# KiCad board mainPCB.kicad_pcb (continued)
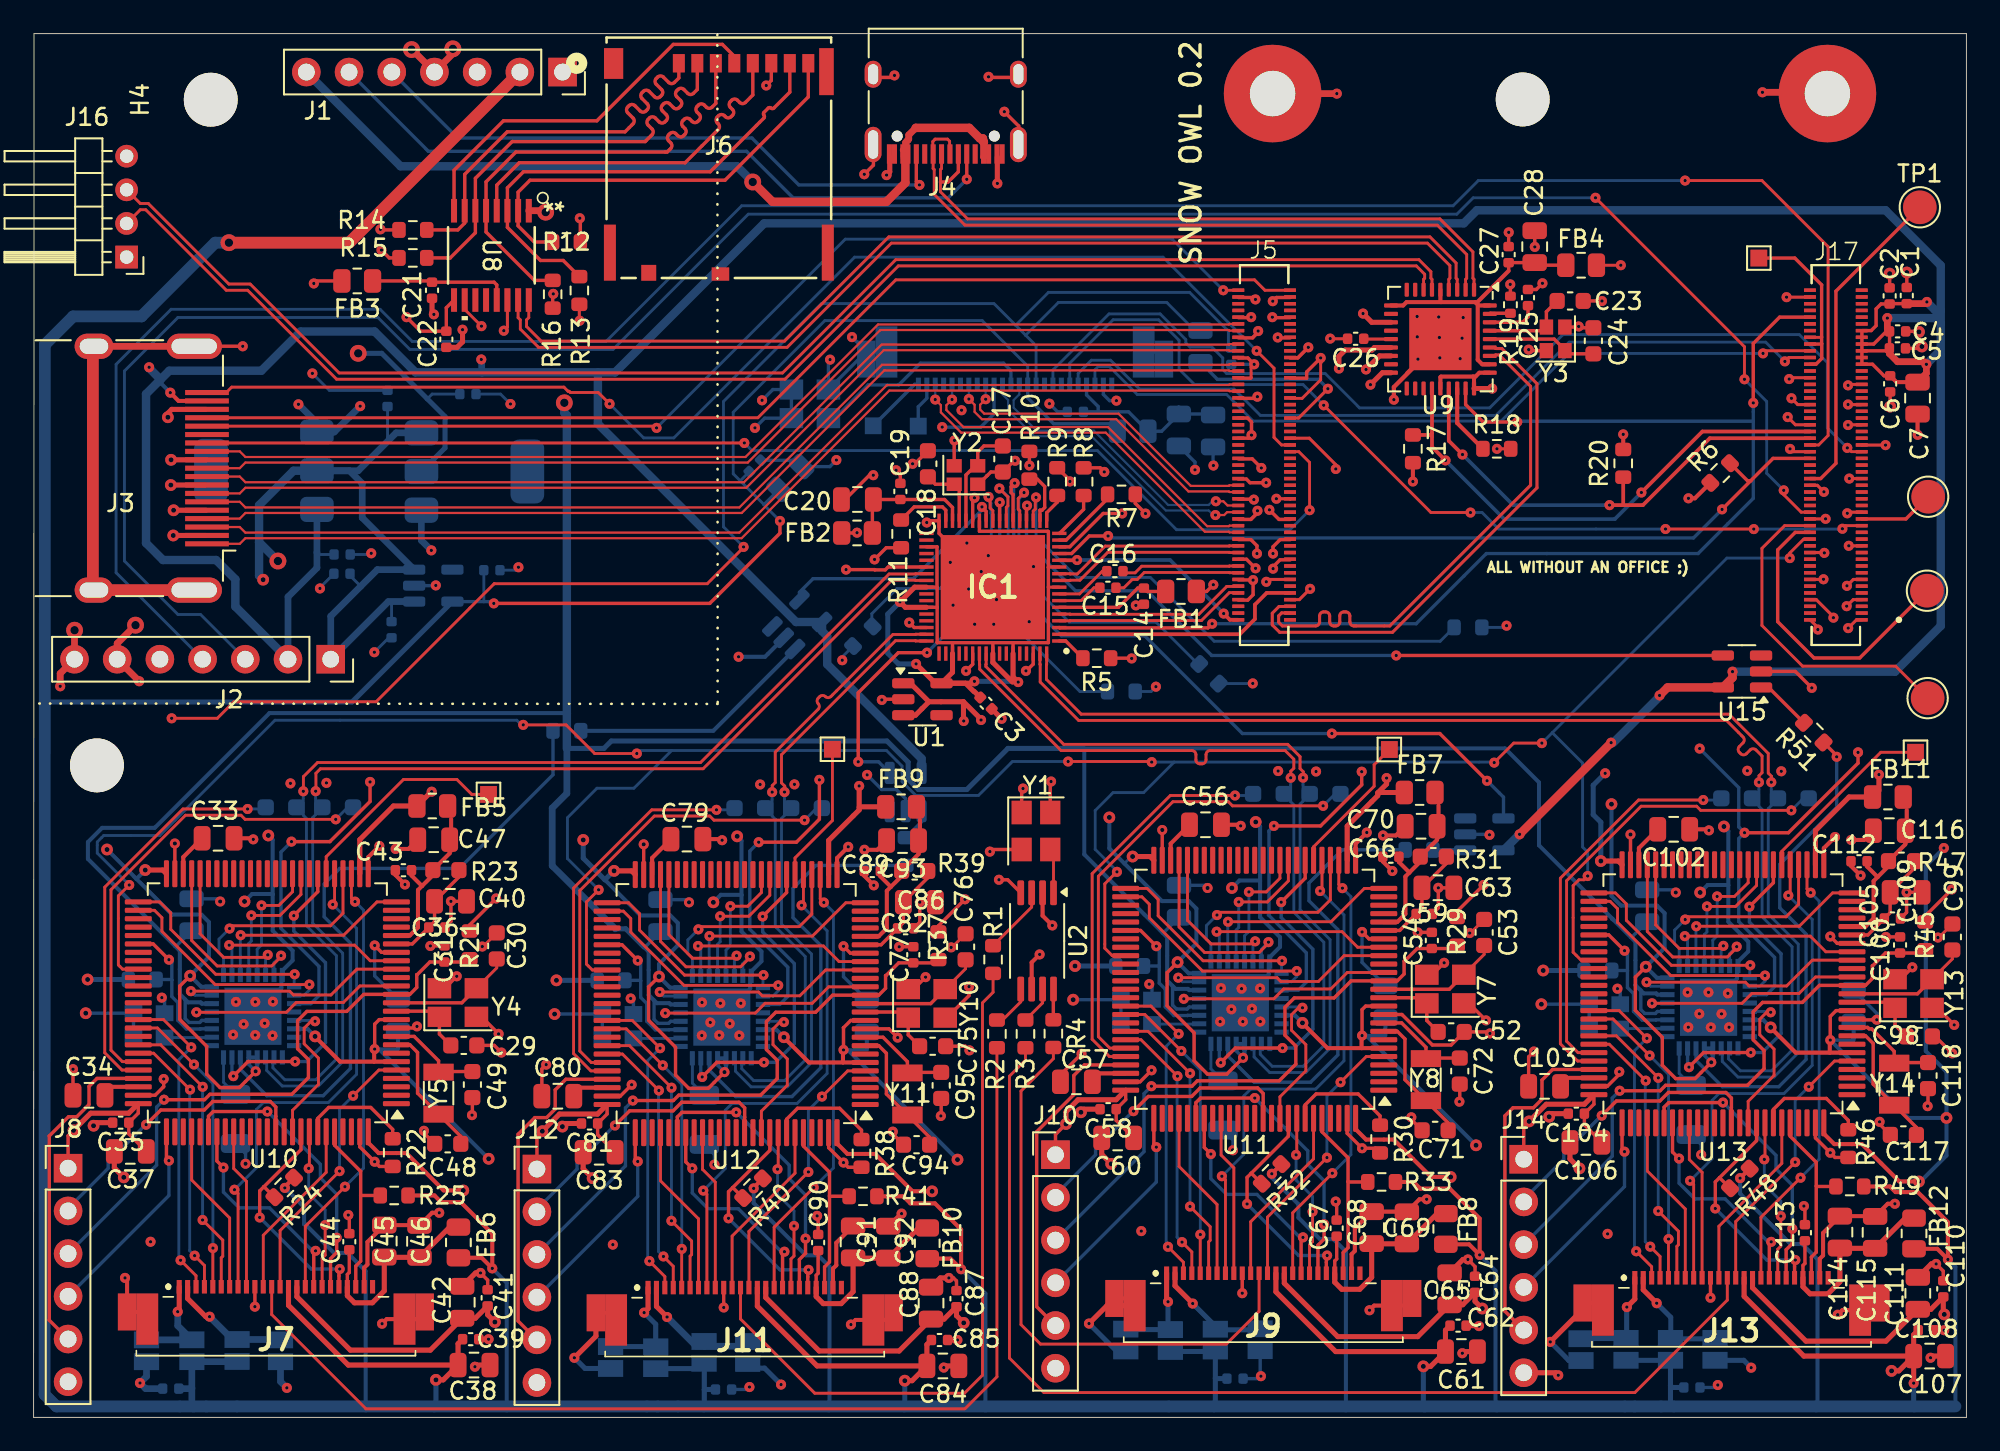
[diagram p0: board, top side]
## Routing (per net, layer and track width the routed paths; a pad name or vN(x,y) marks a point on that pad's centre or on a via; arc(x,y) is an arc through that point) (continued)
Net-(U12-PH0): length 4.7
  F.Cu Signal w0.2: 52.7,22.08 52.02,22.75 Y10.1 51.69,24.11 49.46,24.11
Net-(U12-PH1): length 7.5
  F.Cu Signal w0.17: C76.2 55.43,26.68 Y10.3
  F.Cu Signal w0.2: 49.46,24.61 53.36,24.61 Y10.3 54.31,25.57
Net-(U12-VDDA): length 10.7
  F.Cu Signal w0.24: 50.98,31.55 51.63,32.2 R39.1 52.63,33.5 C93.1 52.51,34.43 ; 50.98,31.55 50.36,32.18 C89.1 ; 50.98,31.55 50.75,31.31 50.75,29.1 50.26,28.61 49.46,28.61 ; 52.72,35.54 52.72,33.65
Net-(U12-VREF+): length 7
  F.Cu Signal w0.2: C86.2 51.73,29.43 C82.2 50.41,28.11 49.46,28.11 ; C86.2 51.39,30.3 ; C86.2 53.18,32.09 R39.2
Net-(U13-BOOT0): length 6.6
  F.Cu Signal w0.2: U13.94 103.48,18.32 104.13,18.97 106.63,18.97 107.93,17.66 R46.1
Net-(U13-PA7): length 11.2
  F.Cu Signal w0.17: TP10.1 109.87,39.56 103.98,33.67 U13.31
Net-(U13-PC14): length 7.9
  F.Cu Signal w0.2: U13.8 108.96,22.69 109.41,22.24 109.41,19.82 Y14.2 111.98,17.25 C117.1
Net-(U13-PC15): length 5.9
  F.Cu Signal w0.2: 112.64,21.14 C118.1 110.7,21.1 Y14.1 110.66,21.77 109.32,23.11 109.17,23.11 109.08,23.19 U13.9
Net-(U13-PH0): length 4.7
  F.Cu Signal w0.2: C98.2 110.71,23.33 Y13.1 110.38,24.69 U13.12
Net-(U13-PH1): length 7.5
  F.Cu Signal w0.17: C99.2 114.12,27.27 Y13.3
  F.Cu Signal w0.2: 113,26.15 Y13.3 112.05,25.19 U13.13
Net-(U13-VDDA): length 10.7
  F.Cu Signal w0.24: 111.41,36.12 111.41,34.24 ; 109.68,32.14 109.05,32.76 C112.1 ; 109.68,32.14 109.44,31.9 109.44,29.68 108.95,29.19 U13.21 ; 109.68,32.14 110.32,32.78 R47.1 111.32,34.08 C116.1 111.2,35.02
Net-(U13-VREF+): length 7
  F.Cu Signal w0.2: 110.08,30.88 C109.2 ; C109.2 110.42,30.02 C105.2 109.1,28.69 U13.20 ; C109.2 111.87,32.68 R47.2
unconnected-(J2-Pin_5-Pad5): length 0.2
  B.Cu Signal w0.2: J2.5 7.68,45.09
unconnected-(J15-PadMP2): length 1.4
  B.Cu Signal w0.2: 67.22,62.95 66.8,63.37 J15.MP2
unconnected-(U9-OCS_N2-Pad17): length 0.3
  F.Cu Signal w0.2: U9.17 81.02,62.63

## Copper pours and planes (outline as drawn; the poured copper is in the pictures)
+3.3V on In2.Cu 5v 3.3v gnd: 0.12,82.19 114.83,82.19 114.83,0.42 0.12,0.42
GND on In1.Cu Ground: 0.36,82.3 114.55,82.3 114.56,0.16 0.36,0.17
GND on In2.Cu 5v 3.3v gnd: 96.61,38.5 90.42,32.31 90.42,11.23 95,6.65 107.41,6.65 110.87,10.1 110.87,19.62 113.9,22.41 113.88,22.4 113.88,30.65 106.03,38.5
GND on In2.Cu 5v 3.3v gnd: 37.56,37.99 31.38,31.8 31.38,10.72 35.96,6.14 48.37,6.14 52.35,10.12 52.35,19.6 54.86,21.9 56.03,23.06 56.03,28.95 46.99,37.99
GND on In2.Cu 5v 3.3v gnd: 9.83,38.16 3.65,31.97 3.65,10.89 8.23,6.31 20.63,6.31 24.09,9.76 24.09,19.28 27.12,22.07 28.3,23.23 28.3,29.11 19.26,38.16
GND on In2.Cu 5v 3.3v gnd: 68.53,38.8 62.35,32.61 62.35,11.53 66.93,6.95 79.34,6.95 82.79,10.4 82.79,19.92 85.83,22.71 87,23.87 87,29.75 77.96,38.8

## Text on the board
F.Silkscreen: ALL WITHOUT AN OFFICE ;) | SNOW OWL 0.2
